# Allegro board SG2042_EVB_V1_1.brd (continued)
## Routing (per net, layer and track width the routed paths; a pad name or vN(x,y) marks a point on that pad's centre or on a via; arc(x,y) is an arc through that point) (continued)
  ART03 w0.102: v1(294.26,204.47) 294.69,204.9 299.42,204.9 J2007.20
UART3_RTS: length 1.7
  TOP w0.102: U14.7 284.22,203.93 R236.1
UART3_RTS_H: length 9.1
  TOP w0.102: R2224.2 294.26,203.61 298.04,199.82 299.42,199.82 J2007.22
UART3_RX: length 1.8
  TOP w0.102: U14.8 284.43,203.28 R238.1
UART3_RX_H: length 10.1
  TOP w0.102: v1(295.12,201.88) 294.26,202.74 R2225.2
  ART10 w0.102: v1(295.12,201.88) 295.12,203.45 296.57,204.9 299.42,204.9 J2007.18
UART3_TX: length 1.9
  TOP w0.102: R240.1 284.64,202.63 U14.9
UART3_TX_H: length 11
  TOP w0.102: R2226.2 v1(294.26,201.88)
  ART10 w0.102: J2007.16 299.42,207.44 297.89,207.44 294.26,203.81 v1(294.26,201.88)
USB_OUT_3V31: length 6.4
  TOP w0.254: R262.1 v1(279.1,233.22) ; U15.6 v1(282.82,235.03)
  BOTTOM w0.254: v1(282.82,235.03) 282.82,234.43 C588.1 C589.1 280.29,234.42 v1(279.1,233.22)
USB_OUT_3V32: length 6.4
  TOP w0.254: R1141.1 v1(268,233.22) ; U805.6 v1(271.72,235.03)
  BOTTOM w0.254: v1(271.72,235.03) 271.72,234.43 C1668.1 C1669.1 269.19,234.42 v1(268,233.22)
USB_OUT_3V33: length 6.4
  TOP w0.254: R2065.1 v1(256.9,233.22) ; U2002.6 v1(260.62,235.03)
  BOTTOM w0.254: v1(256.9,233.22) 258.09,234.42 C3167.1 C3166.1 260.62,234.43 v1(260.62,235.03)
VEMMC: length 12.4
  TOP w0.203: U2.E6 U2.F5 v1(215.03,204.54) ; U2.K9 U2.J10 v1(211.53,207.04)
  BOTTOM w0.254: v1(215.03,204.54) 214.9,204.67 C541.2 213.31,204.57 212.34,204.57 210.21,206.71 C543.2 C542.2 211.1,207.48 v1(211.53,207.04)
  BOTTOM w0.381: FB1.2 C543.2
VMON_N: length 107.6
  TOP w0.102: U1.A30 139.23,133.89 139.23,142.17 143.51,146.45 143.51,158.82 144.55,159.86 159.41,159.86 164.16,164.61 164.16,169.41 168.9,174.15 181.14,174.15 194.88,187.89 194.88,191.81 201.17,198.09 201.98,198.09 T3.1
VMON_P: length 109.1
  TOP w0.102: U1.B30 138.97,133.15 138.97,142.27 143.26,146.56 143.26,158.93 144.39,160.06 159.33,160.06 163.96,164.69 163.96,169.5 168.81,174.35 181.05,174.35 194.68,187.97 194.68,191.89 201.08,198.3 201.98,198.3 T2.1
VQPS18: length 2.2
  BOTTOM w0.102: U51.5 138.1,49.69 138.1,50.01 138,50.11 138,50.85 138.1,50.95 R256.2
  vias: v1(138.47,93.65) v1(138.79,51.94) v1(139.7,51.94) v1(139.7,51.03)
VQPS18_H: length 2.9
  BOTTOM w0.102: U51.4 137.7,49.69 137.7,50 137.79,50.09 137.79,50.85 137.69,50.95 R256.1
  BOTTOM w0.254: 135.78,50.83 U13.A1 136.13,50.49
VRHOT_DDR: length 3.2
  TOP w0.102: TP15.1 232.05,203.07 230.56,204.57 U53.18
VRHOT_VDDC: length 1.8
  TOP w0.102: U37.18 53.34,198.45 TP5.1
XTAL_32K: length 22.6
  TOP w0.102: U1.A31 140.39,133.73 140.39,140.85 149.78,150.24 R471.2
N268855: length 2
  TOP w0.102: R2.1 209.76,85.32 J1.238
N268909: length 6.1
  TOP w0.102: J1.140 208.25,46.22 209.28,47.26 211.37,47.26 R3.1
N268955: length 8.2
  TOP w0.102: R4.1 211.1,48.39 210.53,48.96 209.28,48.96 208.43,48.11 207.41,48.11 206.56,47.26 204.55,47.26 J1.139
N16776345: length 0.6
  BOTTOM w0.508: R372.1 v1(179.43,193.32)
N16776453: length 0.6
  BOTTOM w0.508: R369.1 v1(169.37,193.32)
N16776549: length 0.6
  BOTTOM w0.508: R370.1 v1(159.31,193.32)
N16776613: length 5.7
  TOP w0.203: U37.46 61.9,199.65 62.23,199.97 62.23,201.32 63.02,202.11 C1254.1 R371.1 64.9,202.11
N16776843: length 3.3
  TOP w0.254: U34.3 174.55,199.19 C1263.1 v1(173.74,199.39)
  BOTTOM w0.254: R365.2 173.99,200.2 173.74,199.95 v1(173.74,199.39)
N16776931: length 3.3
  TOP w0.254: v1(163.68,199.39) C1269.1 164.49,199.19 U35.3
  BOTTOM w0.254: R368.2 163.93,200.2 163.68,199.95 v1(163.68,199.39)
N16777019: length 3.3
  TOP w0.254: v1(153.62,199.39) C1275.1 154.43,199.19 U36.3
  BOTTOM w0.254: v1(153.62,199.39) 153.62,199.95 153.87,200.2 R366.2
N16777051: length 4.5
  TOP w0.203: 64.9,200.41 R2448.1 63.02,200.41 62.59,199.97 62.59,199.77 62.06,199.25 U37.45
N16777342: length 1.2
  BOTTOM w0.508: R369.2 C1280.1
N16777444: length 1.2
  BOTTOM w0.508: R370.2 C1285.1
N16777579: length 1.2
  BOTTOM w0.508: R372.2 C1286.1
N16777827: length 99
  TOP w0.102: v1(54.36,193.12) C1282.1 54.56,193.93 54.56,194.11 54.66,194.21 54.66,194.47 54.88,194.69 55.73,194.69 55.84,194.8 U37.25
  ART10 w0.102: v1(134.06,161.72) 134.9,161.72 135,161.82 135,162.18 134.85,162.33 107.97,162.33 84.73,185.57 61.36,185.57 54.66,192.27 54.66,192.81 v1(54.36,193.12)
  BOTTOM w0.102: R469.1 v1(134.06,161.72)
N16777829: length 99.1
  TOP w0.102: v1(55.17,193.12) C1282.2 54.97,193.93 54.97,194.11 54.86,194.21 54.86,194.39 54.97,194.49 55.85,194.49 56.24,194.87 U37.26
  ART10 w0.102: v1(136.14,161.72) 135.31,161.72 135.2,161.82 135.2,162.26 134.93,162.53 108.05,162.53 84.81,185.78 61.44,185.78 54.86,192.35 54.86,192.81 v1(55.17,193.12)
  BOTTOM w0.102: R379.1 v1(136.14,161.72)
N16777929: length 1.5
  TOP w0.203: U34.33 178.88,201.94 C1283.1
N16777935: length 1.5
  TOP w0.203: U35.33 168.82,201.94 C1287.1
N16777939: length 1.5
  TOP w0.203: C1284.2 158.76,201.94 U36.33
N16777961: length 1.8
  TOP w0.203: v1(177.88,201.67) 177.98,201.57 U34.35
  BOTTOM w0.254: R377.2 177.88,200.99 v1(177.88,201.67)
N16777979: length 1.8
  TOP w0.203: U35.35 167.92,201.57 v1(167.82,201.67)
  BOTTOM w0.254: R378.2 167.82,200.99 v1(167.82,201.67)
N16777997: length 1.8
  TOP w0.203: v1(157.76,201.67) 157.86,201.57 U36.35
  BOTTOM w0.254: v1(157.76,201.67) 157.76,200.99 R381.2
N16778101: length 0.9
  TOP w0.203: C1283.2 R2456.2
N16778111: length 0.9
  TOP w0.203: C1287.2 R2457.2
N16778145: length 3.2
  TOP w0.254: U34.1 175.71,200.39 175.01,201.09 C1289.1 v1(173.74,201.09)
  BOTTOM w0.254: C1289.1 v1(173.74,201.09)
N16778156: length 3.2
  TOP w0.254: U35.1 165.65,200.39 164.95,201.09 C1291.1 v1(163.68,201.09)
  BOTTOM w0.254: C1291.1 v1(163.68,201.09)
N16778167: length 3.2
  TOP w0.254: U36.1 155.59,200.39 154.89,201.09 C1293.1 v1(153.62,201.09)
  BOTTOM w0.254: C1293.1 v1(153.62,201.09)
N16778214: length 2.3
  TOP w0.203: U34.39 176.18,201.36 176.05,201.5 C1290.1 R385.2
N16778223: length 2.3
  TOP w0.203: U35.39 166.12,201.36 165.99,201.5 C1292.1 R386.2
N16778232: length 2.3
  TOP w0.203: R387.2 C1294.1 155.93,201.5 156.06,201.36 U36.39
N16778267: length 1.4
  TOP w0.203: R388.1 177.08,202.01 U34.37
N16778271: length 1.4
  TOP w0.203: R389.1 167.02,202.01 U35.37
N16778275: length 1.4
  TOP w0.203: U36.37 156.96,202.01 R390.1
N16779392: length 4.2
  TOP w0.102: 64.9,197.82 R393.1 C1309.1 62.51,197.82 61.87,198.45 U37.43
N16779575: length 4
  TOP w0.102: U37.44 62.24,198.85 62.38,198.7 C1446.1 R482.1 64.9,198.7
N16779882: length 0.6
  BOTTOM w0.508: R398.1 v1(149.25,193.32)
N16779930: length 0.6
  BOTTOM w0.508: R400.1 v1(139.19,193.32)
N16779978: length 0.6
  BOTTOM w0.508: R402.1 v1(129.13,193.32)
N16780125: length 3.3
  TOP w0.254: v1(143.56,199.39) C1311.1 144.38,199.19 U39.3
  BOTTOM w0.254: v1(143.56,199.39) 143.56,199.95 143.81,200.2 R397.2
N16780169: length 3.3
  TOP w0.254: U40.3 134.32,199.19 C1325.1 v1(133.5,199.39)
  BOTTOM w0.254: v1(133.5,199.39) 133.5,199.95 133.76,200.2 R399.2
N16780213: length 3.3
  TOP w0.254: v1(123.44,199.39) C1328.1 124.26,199.19 U38.3
  BOTTOM w0.254: R401.2 123.7,200.2 123.44,199.95 v1(123.44,199.39)
N16780259: length 1.2
  BOTTOM w0.508: R398.2 C1334.1
N16780361: length 1.2
  BOTTOM w0.508: R400.2 C1337.1
N16780463: length 1.2
  BOTTOM w0.508: R402.2 C1338.1
N16780805: length 1.5
  TOP w0.203: U39.33 148.71,201.94 C1339.1
N16780809: length 1.5
  TOP w0.203: U40.33 138.65,201.94 C1340.1
N16780813: length 1.5
  TOP w0.203: U38.33 128.59,201.94 C1341.1
N16780817: length 1.8
  TOP w0.203: U39.35 147.81,201.57 v1(147.7,201.67)
  BOTTOM w0.254: R403.2 147.7,200.99 v1(147.7,201.67)
N16780835: length 1.8
  TOP w0.203: v1(137.65,201.67) 137.75,201.57 U40.35
  BOTTOM w0.254: R404.2 137.65,200.99 v1(137.65,201.67)
N16780853: length 1.8
  TOP w0.203: U38.35 127.69,201.57 v1(127.59,201.67)
  BOTTOM w0.254: R405.2 127.59,200.99 v1(127.59,201.67)
N16780921: length 0.9
  TOP w0.203: C1339.2 R2458.2
N16780931: length 0.9
  TOP w0.203: C1340.2 R2459.2
N16780941: length 0.9
  TOP w0.203: C1341.2 R2463.2
N16780946: length 3.2
  TOP w0.254: U39.1 145.53,200.39 144.83,201.09 C1342.1 v1(143.56,201.09)
  BOTTOM w0.254: C1342.1 v1(143.56,201.09)
N16780957: length 3.2
  TOP w0.254: U40.1 135.47,200.39 134.77,201.09 C1344.1 v1(133.5,201.09)
  BOTTOM w0.254: C1344.1 v1(133.5,201.09)
N16780968: length 3.2
  TOP w0.254: v1(123.44,201.09) C1346.1 124.71,201.09 125.41,200.39 U38.1
  BOTTOM w0.254: C1346.1 v1(123.44,201.09)
N16781003: length 2.3
  TOP w0.203: R409.2 C1343.1 145.87,201.5 146.01,201.36 U39.39
N16781012: length 2.3
  TOP w0.203: U40.39 135.95,201.36 135.81,201.5 C1345.1 R410.2
N16781021: length 2.3
  TOP w0.203: R411.2 C1347.1 125.76,201.5 125.89,201.36 U38.39
N16781027: length 1.4
  TOP w0.203: R412.1 146.91,202.01 U39.37
N16781031: length 1.4
  TOP w0.203: R413.1 136.85,202.01 U40.37
N16781035: length 1.4
  TOP w0.203: U38.37 126.79,202.01 R414.1
N16782716: length 0.6
  BOTTOM w0.508: R419.1 v1(98.96,193.32)
N16782764: length 0.7
  BOTTOM w0.508: v1(124.41,22.63) 124.26,22.78 R417.1
N16782812: length 0.6
  BOTTOM w0.508: R423.1 v1(119.08,193.32)
N16782860: length 0.6
  BOTTOM w0.508: R421.1 v1(109.02,193.32)
N16783003: length 3.3
  TOP w0.254: v1(93.27,199.39) C1390.1 94.08,199.19 U44.3
  BOTTOM w0.254: R415.2 93.52,200.2 93.27,199.95 v1(93.27,199.39)
N16783047: length 3.3
  TOP w0.254: U43.3 129.28,17.35 129.49,17.14 v1(130.1,17.14)
  BOTTOM w0.254: v1(130.1,17.14) 130.1,16.59 129.84,16.33 R420.2
N16783091: length 3.3
  TOP w0.254: v1(113.39,199.39) C1386.1 114.2,199.19 U42.3
  BOTTOM w0.254: R422.2 113.64,200.2 113.39,199.95 v1(113.39,199.39)
N16783135: length 3.3
  TOP w0.254: U41.3 104.14,199.19 C1371.1 v1(103.33,199.39)
  BOTTOM w0.254: v1(103.33,199.39) 103.33,199.95 103.58,200.2 R418.2
N16783181: length 1.2
  BOTTOM w0.508: R419.2 C1402.1
N16783283: length 1.2
  BOTTOM w0.508: R417.2 C1403.1
N16783385: length 1.2
  BOTTOM w0.508: R423.2 C1400.1
N16783487: length 1.2
  BOTTOM w0.508: R421.2 C1401.1
N16783901: length 1.5
  TOP w0.203: U44.33 98.41,201.94 C1406.1
N16783905: length 1.5
  TOP w0.203: U43.33 124.95,14.59 C1407.1
N16783909: length 1.5
  TOP w0.203: U42.33 118.53,201.94 C1404.1
N16783913: length 1.5
  TOP w0.203: C1405.1 108.47,201.94 U41.33
N16783917: length 1.8
  TOP w0.203: v1(97.41,201.67) 97.51,201.57 U44.35
  BOTTOM w0.254: R426.2 97.41,200.99 v1(97.41,201.67)
N16783935: length 1.8
  TOP w0.203: v1(125.96,14.86) 125.85,14.96 U43.35
  BOTTOM w0.254: 126.11,15.7 125.96,15.54 v1(125.96,14.86)
N16783953: length 1.8
  TOP w0.203: v1(117.53,201.67) 117.63,201.57 U42.35
  BOTTOM w0.254: R424.2 117.53,200.99 v1(117.53,201.67)
N16783971: length 1.8
  TOP w0.203: v1(107.47,201.67) 107.57,201.57 U41.35
  BOTTOM w0.254: v1(107.47,201.67) 107.47,200.99 R425.2
N16784053: length 0.9
  TOP w0.203: C1406.2 R2464.2
N16784063: length 0.9
  TOP w0.203: C1407.2 R2465.2
N16784073: length 0.9
  TOP w0.203: C1404.2 R2461.2
N16784083: length 0.9
  TOP w0.203: C1405.2 R2462.2
N16784088: length 3.2
  TOP w0.254: v1(93.27,201.09) C1412.1 94.54,201.09 95.24,200.39 U44.1
  BOTTOM w0.254: C1412.1 v1(93.27,201.09)
N16784099: length 3.2
  TOP w0.254: U43.1 128.13,16.14 128.83,15.44 C1414.1 v1(130.1,15.44)
  BOTTOM w0.254: C1414.1 v1(130.1,15.44)
N16784110: length 3.2
  TOP w0.254: U42.1 115.36,200.39 114.66,201.09 C1408.1 v1(113.39,201.09)
  BOTTOM w0.254: C1408.1 v1(113.39,201.09)
N16784121: length 3.2
  TOP w0.254: U41.1 105.3,200.39 104.6,201.09 C1410.1 v1(103.33,201.09)
  BOTTOM w0.254: C1410.1 v1(103.33,201.09)
N16784164: length 2.3
  TOP w0.203: R432.2 C1413.1 95.58,201.5 95.71,201.36 U44.39
N16784173: length 2.3
  TOP w0.203: R433.2 C1415.1 127.79,15.04 127.65,15.17 U43.39
N16784182: length 2.3
  TOP w0.203: U42.39 115.83,201.36 115.7,201.5 C1409.1 R434.2
N16784191: length 2.3
  TOP w0.203: R435.2 C1411.1 105.64,201.5 105.77,201.36 U41.39
N16784197: length 1.4
  TOP w0.203: R438.1 96.61,202.01 U44.37
N16784201: length 1.4
  TOP w0.203: U43.37 126.75,14.52 R439.1
N16784205: length 1.4
  TOP w0.203: U42.37 116.73,202.01 R436.1
N16784209: length 1.4
  TOP w0.203: U41.37 106.67,202.01 R437.1
N16799311: length 1.4
  TOP w0.102: SW3.12 R109.1
N16799336: length 1.4
  TOP w0.102: SW2.12 R104.1
N16799358: length 1.4
  TOP w0.102: SW3.11 R106.1
N16799404: length 1.4
  TOP w0.102: SW2.11 R112.1
N16799429: length 1.4
  TOP w0.102: SW3.10 R110.1
N16799476: length 1.4
  TOP w0.102: SW2.10 R108.1
N16799508: length 1.4
  TOP w0.102: SW3.9 R115.1
N16799557: length 1.4
  TOP w0.102: SW2.9 R111.1
N16799582: length 1.4
  TOP w0.102: SW3.8 R114.1
N16799631: length 1.4
  TOP w0.102: SW2.8 R113.1
N16799658: length 1.4
  TOP w0.102: SW3.7 R117.1
N16799673: length 1.4
  TOP w0.102: SW2.7 R116.1
N16800093: length 1.4
  TOP w0.102: SW4.12 R140.1
N16800114: length 1.4
  TOP w0.102: SW5.12 R143.1
N16800143: length 1.4
  TOP w0.102: SW4.11 R146.1
N16800164: length 1.4
  TOP w0.102: SW5.11 R147.1
N16800198: length 1.4
  TOP w0.102: SW4.10 R149.1
N16800219: length 1.4
  TOP w0.102: SW5.10 R150.1
N16800260: length 1.4
  TOP w0.102: SW4.9 R152.1
N16800281: length 1.4
  TOP w0.102: SW5.9 R153.1
N16800328: length 1.4
  TOP w0.102: SW4.8 R155.1
N16800349: length 1.4
  TOP w0.102: SW5.8 R156.1
N16800382: length 1.4
  TOP w0.102: SW4.7 R157.1
N16800393: length 1.4
  TOP w0.102: SW5.7 R158.1
N16800835: length 2.6
  TOP w0.102: X1.1 174.6,162.94 C577.1 R107.1
N16800988: length 1.5
  TOP w0.102: X1.3 179.01,165.31 R124.1
N16801147: length 2.6
  TOP w0.102: X2.1 121.33,152.27 C581.1 R139.1
N16801273: length 1.8
  TOP w0.102: R144.1 117.46,149.9 X2.3
N16801494: length 2.6
  TOP w0.102: X3.1 144.6,156.69 C585.1 R161.1
N16801627: length 1.8
  TOP w0.102: X3.3 146.97,152.82 146.43,152.27
N16804839: length 6.3
  TOP w0.102: R187.2 183.74,232.97 J11.1
N16807123: length 2.7
  TOP w0.203: D42.1 287.47,237.85 ; D42.1 287.15,237.48 ; D42.1 287.15,238.21
  TOP w0.381: 286.92,239.55 286.38,239.55 J22.1 286.23,238.84
N16807257: length 9.7
  TOP w0.114: v1(283.23,235.56) 283.4,235.39 283.4,234.9 283.32,234.82 U15.5 ; J22.2 285.58,238.84 285.43,238.68 285.43,238.04 D43.1 285.44,237.67 285.44,237.06 v1(285.62,236.88)
  BOTTOM w0.114: v1(283.23,235.56) 283.23,237.43 283.64,237.84 285.07,237.84 285.44,237.47 285.44,237.06 v1(285.62,236.88)
N16807264: length 2.3
  TOP w0.102: U15.9 279.92,232.62 R262.2 C605.1
N16807287: length 9.7
  TOP w0.114: U15.4 283.82,234.81 283.74,234.9 283.74,235.39 v1(283.91,235.56) ; J22.3 284.93,238.84 285.09,238.68 285.09,238.02 D44.1 285.1,237.67 285.1,237.06 v1(284.92,236.88)
  BOTTOM w0.114: v1(283.91,235.56) 283.85,235.56 283.57,235.85 283.57,236.12 arc(283.63,236.26) 283.77,236.32 284.01,236.32 arc(284.24,236.55) 284.01,236.78 283.8,236.78 arc(283.64,236.85) 283.57,237.01 283.57,237.29 283.78,237.5 284.93,237.5 285.1,237.33 285.1,237.06 v1(284.92,236.88)
N16807980: length 2.1
  TOP w0.254: 218.48,61.62 218.34,61.75 U49.19
  TOP w0.508: 218.48,61.62 218.93,61.62 219.53,61.02 C1429.1
N16807985: length 1.6
  TOP w0.305: U49.17 216.86,61.02
N16820738: length 2
  TOP w0.102: J2.238 202.36,85.32 R6.1
N16820747: length 17.3
  TOP w0.102: R7.1 210.6,50.28 209.49,50.28 208.64,49.43 207.57,49.43 206.72,48.58 205.69,48.58 204.84,47.73 202.88,47.73 202.03,46.88 200.09,46.88 199.24,46.03 196.75,46.03 J2.140
N16820756: length 18.8
  TOP w0.102: J2.139 197.24,47.07 197.9,46.41 199.04,46.41 199.89,47.26 201.85,47.26 202.7,48.11 204.63,48.11 205.48,48.96 206.56,48.96 207.41,49.81 208.43,49.81 209.28,50.66 211.14,50.66 R8.1
N16828823: length 8.1
  TOP w0.102: J3.238 69.31,85.32 68.46,86.17 67.41,86.17 66.56,85.32 R10.1
N16828836: length 3.4
  TOP w0.102: J3.140 64.41,46.22 R11.1
N16828849: length 1.8
  TOP w0.102: R12.1 64.39,47.07 J3.139
N16829656: length 6.4
  TOP w0.102: J11.11 194.41,230.73 R192.2 R195.2
N16832496: length 8.1
  TOP w0.102: R14.1 73.59,85.32 75.96,85.32 76.81,86.17 77.86,86.17 78.71,85.32 J4.238
N16832505: length 14.4
  TOP w0.102: R15.1 64.89,49.44 66.46,49.44 67.31,48.59 68.37,48.59 69.22,47.74 70.26,47.74 71.11,46.89 73.34,46.89 73.83,46.4 77.01,46.4 J4.140
N16832514: length 12.4
  TOP w0.102: J4.139 75.41,47.24 71.31,47.24 70.46,48.1 69.4,48.1 68.55,48.95 67.51,48.95 66.66,49.8 64.38,49.8 R16.1
N16833185: length 6.3
  TOP w0.102: R105.2 221.79,232.97 J10.1
N16833257: length 6.4
  TOP w0.102: J10.11 232.46,230.73 R118.2 R138.2
N16835131: length 6.3
  TOP w0.102: J12.1 145.67,232.97 R235.2
N16835205: length 6.4
  TOP w0.102: R251.2 R245.2 156.34,230.73 156.34,235
N16839997: length 1.6
  TOP w0.102: U48.6 226.61,107.25 226.75,107.39 R452.1
N16841761: length 4.2
  TOP w0.254: U49.6 219.3,64.73 219.56,64.98 219.56,65.51 219.86,65.81 R461.2 R462.1 221.26,64.95 R460.1
N16841764: length 0.9
  TOP w0.254: R460.2 C1434.1
N16842324: length 3
  TOP w0.254: R466.2 221.21,63.2 220.75,62.74 219.91,62.74 219.42,63.23 U49.3
N16843634: length 2.8
  TOP w0.254: R464.2 219.77,62.33 219.38,62.73 U49.2
N16844656: length 2.1
  TOP w0.254: R459.2 C3148.1 216.19,61.75 U49.16
N16848150: length 4.5
  TOP w0.254: R445.2 R449.1 C1421.2 219.74,110.08 220.85,111.2 U47.1
N16851719: length 1.8
  TOP w0.254: U47.6 223.53,115.45 C1420.1
N16851931: length 1.7
  TOP w0.102: R443.2 222.03,115.68 U47.9
N16854767: length 1
  TOP w0.102: R467.1 220.92,47.03 U50.6
N16879443: length 99.9
  TOP w0.102: U1.D30 v1(138.97,131.15) ; R36.2 v1(197.28,199.57)
  ART10 w0.102: v1(138.97,131.15) 138.97,131.4 138.59,131.79 138.59,138.73 164.63,164.77 174.38,164.77 195.25,185.64 195.25,196.39 197.28,198.42 v1(197.28,199.57)
N16879465: length 3.1
  TOP w0.089: U2.C2 216.28,203.79 216.79,203.79
  TOP w0.102: v1(217.42,203.76) 217.39,203.79 216.79,203.79
  BOTTOM w0.102: C525.2 C526.1 v1(217.42,203.76)
N16880032: length 3.4
  TOP w0.102: R46.1 49.52,226.47 D1.1 48.47,228.23 J8.5
N16880080: length 2.9
  TOP w0.102: J8.3 46.3,229.25 D7.1 46.3,226.35 R47.1
N16880122: length 3
  TOP w0.102: J8.7 50.64,229.25 D2.1 50.64,226.35 R49.1
N16880147: length 2.9
  TOP w0.102: J8.8 51.76,229.26 D3.1 51.76,226.35 R50.1
N16880195: length 2.9
  TOP w0.102: R51.1 45.18,226.35 D4.1 45.18,229.26 J8.2
N16880209: length 2.9
  TOP w0.102: R53.1 44.06,226.35 D5.1 44.06,229.27 J8.1
N16880231: length 2.9
  TOP w0.102: R54.1 52.88,226.35 D6.1 52.88,229.27 J8.9
N16880255: length 2.1
  TOP w0.102: U5.B2 45.82,221.03 R55.2 R52.2
N16956946: length 1.8
  BOTTOM w0.102: U13.B2 135.28,49.08 R258.2 R257.2
N16965254: length 141.2
  TOP w0.102: U1.E18 v1(126.97,130.15) ; R137.2 v1(10.08,171.86)
  BOTTOM w0.102: v1(10.08,171.86) 19.28,171.86 20.9,173.48 53.76,173.48 54.24,173 89.68,173 127.35,135.32 127.35,130.53 v1(126.97,130.15)
N16965255: length 151.5
  TOP w0.102: U1.F18 v1(126.97,129.15) ; R132.2 v1(10.69,180.9)
  ART10 w0.102: v1(9.32,172.62) 9.32,179.53 v1(10.69,180.9)
  BOTTOM w0.102: v1(9.32,172.62) 9.7,172.24 19.37,172.24 20.82,173.69 53.84,173.69 54.33,173.2 89.76,173.2 127.56,135.41 127.56,129.73 v1(126.97,129.15)
N16965256: length 158.4
  TOP w0.102: R134.2 v1(10.69,175.82) ; U1.J22 v1(130.97,126.15)
  ART03 w0.102: v1(58.55,182.7) 57.76,181.91 44.12,181.91 43.56,181.36 12.4,181.36 10.69,179.65 v1(10.69,175.82)
  ART10 w0.102: v1(58.55,182.7) 58.55,182.42 60.83,180.14 79.73,180.14 107.34,152.53 117.5,152.53 131.59,138.44 131.59,126.77 v1(130.97,126.15)
N16965257: length 144.4
  TOP w0.102: U1.D17 v1(125.97,131.15) ; R135.2 v1(10.08,177.75)
  ART10 w0.102: v1(10.08,170.99) 9.7,171.37 9.7,177.37 v1(10.08,177.75)
  BOTTOM w0.102: v1(125.97,131.15) 125.8,131.32 125.8,135.73 89.34,172.19 21.16,172.19 19.96,170.99 v1(10.08,170.99)
N16965338: length 221.9
  TOP w0.102: U1.J35 v1(144.97,126.15) ; 283.08,223.16 v1(282.47,223.16)
  ART03 w0.102: v1(221.89,226.21) 222.28,225.83 279.81,225.83 v1(282.47,223.16)
  ART10 w0.102: v1(223.34,176.56) 223.34,188.98 224.59,190.22 224.59,195.96 223.93,196.62 223.93,200.13 221.89,202.16 v1(221.89,226.21)
  BOTTOM w0.102: v1(144.97,126.15) 144.59,126.53 144.59,137.29 172.35,165.05 173.93,165.05 186.75,177.88 217.47,177.88 218.58,176.76 223.14,176.76 v1(223.34,176.56)
N16965348: length 211.8
  TOP w0.102: 283.08,222.3 v1(282.47,222.3) ; U1.G38 v1(147.97,128.15)
  ART03 w0.102: v1(208.23,226.21) 210.34,226.21 210.92,225.63 279.15,225.63 v1(282.47,222.3)
  ART10 w0.102: v1(147.97,128.15) 148.35,128.53 148.35,132.72 147.39,133.69 147.39,140.12 165.02,157.76 175.77,157.76 196.19,178.18 202.1,178.18 209.17,185.25 209.17,200.52 207.98,201.72 207.98,211.66 208.23,211.91 v1(208.23,226.21)
N16965358: length 210.5
  TOP w0.089: 147.81,133.91 147.87,133.85 147.87,133.04 U1.B38
  TOP w0.102: v1(208.43,185.22) 208.43,184.3 202.67,178.54 192.72,178.54 183.25,169.07 171,169.07 169.27,167.33 169.27,162.51 147.81,141.05 147.81,133.91 ; 283.08,221.44 v1(282.47,221.44)
  ART03 w0.102: v1(282.47,221.44) 278.49,225.43 210.84,225.43 210.25,226.01 209.37,226.01 209.19,225.83 208,225.83 v1(207.62,226.21)
  ART10 w0.102: v1(207.62,226.21) 208.03,225.81 208.03,212 207.77,211.74 207.77,201.63 208.97,200.44 208.97,185.75 v1(208.43,185.22)
N16965360: length 208.6
  TOP w0.102: 283.08,220.57 v1(282.47,220.57) ; v1(210.29,185.22) 210.67,184.84 210.67,183.92 210.29,183.53 210.29,183.51 204.7,177.93 192.98,177.93 183.51,168.46 171.26,168.46 169.88,167.08 169.88,162.25 148.47,140.85 U1.A39
  ART03 w0.102: v1(282.47,220.57) 277.83,225.22 210.34,225.22 v1(209.93,225.63)
  ART10 w0.102: v1(210.29,185.22) 209.58,185.93 209.58,200.69 208.38,201.89 208.38,211.49 208.64,211.75 208.64,224.33 v1(209.93,225.63)
N16965694: length 211.2
  TOP w0.102: v1(204.09,183.44) 204.09,182.87 201.59,180.37 191.96,180.37 182.5,170.9 170.24,170.9 167.44,168.09 167.44,163.27 144.97,140.8 144.97,133.15 U1.B36 ; 283.08,219.71 v1(282.47,219.71)
  ART03 w0.102: v1(282.47,219.71) 277.16,225.02 209.73,225.02 209.12,225.63 207.42,225.63 v1(206.83,225.04)
  ART10 w0.102: v1(204.09,183.44) 204.09,184.8 207.42,188.13 207.42,196.76 206.48,197.7 206.48,200.23 206.48,211.31 207.42,212.25 207.42,223.9 206.83,224.49 v1(206.83,225.04)
N16965704: length 212.1
  TOP w0.089: 146.81,133.91 146.87,133.85 146.87,131.04 U1.D37
  TOP w0.102: 283.08,218.85 v1(282.47,218.85) ; v1(207.77,187.12) 207.77,185.11 202.01,179.35 192.39,179.35 182.92,169.88 170.67,169.88 168.45,167.67 168.45,162.84 146.81,141.2 146.81,133.91
  ART03 w0.102: v1(282.47,218.85) 276.5,224.82 209.64,224.82 209.03,225.43 207.82,225.43 v1(207.44,225.04)
  ART10 w0.102: v1(207.77,187.12) 207.82,187.17 207.82,196.93 206.88,197.86 206.88,211.14 207.82,212.08 207.82,224.66 v1(207.44,225.04)
N16965714: length 210.6
  TOP w0.102: U1.F39 v1(148.97,129.15) ; 283.08,217.98 v1(282.47,217.98)
  ART03 w0.102: v1(282.47,217.98) 275.84,224.61 209.04,224.61 v1(208.61,225.04)
  ART10 w0.102: v1(208.61,225.04) 208.43,224.87 208.43,211.83 208.18,211.58 208.18,201.8 209.37,200.61 209.37,185.16 202.19,177.98 196.27,177.98 175.85,157.56 165.11,157.56 147.59,140.04 147.59,133.77 148.59,132.77 148.59,129.53 v1(148.97,129.15)
N16965716: length 211
  TOP w0.089: 145.81,133.91 145.87,133.85 145.87,132.25 U1.C37
  TOP w0.102: 283.08,217.12 v1(282.47,217.12) ; 145.81,133.91 145.81,141.06 167.84,163.1 167.84,167.92 170.41,170.49 182.66,170.49 192.13,179.96 201.76,179.96 205.87,184.07 v1(205.87,185.22)
  ART03 w0.102: v1(207.44,224.43) 207.47,224.41 275.18,224.41 v1(282.47,217.12)
  ART10 w0.102: v1(205.87,185.22) 205.87,186.29 207.62,188.05 207.62,196.84 206.68,197.78 206.68,200.31 206.68,211.23 207.62,212.17 207.62,224.26 v1(207.44,224.43)
N16965774: length 186.2
  TOP w0.089: 146.14,133.91 146.08,133.85 146.08,133.04 U1.B37
  TOP w0.102: v1(206.5,185.85) 206.5,184.42 201.84,179.76 192.22,179.76 182.75,170.29 170.5,170.29 168.05,167.84 168.05,163.01 146.14,141.11 146.14,133.91 ; 283.08,207.92 v1(282.47,207.92)
  ART03 w0.102: v1(282.47,207.92) 242.61,207.92 234.72,200.03 v1(207.26,200.03)
  ART10 w0.102: v1(207.26,200.03) 207.65,199.64 207.65,197.89 208.36,197.18 208.36,186.86 207.35,185.85 v1(206.5,185.85)
N16965784: length 193.6
  TOP w0.102: 283.08,207.06 v1(282.47,207.06) ; U1.J33 v1(142.97,126.15)
  ART03 w0.102: v1(282.47,207.06) 281.81,207.72 242.7,207.72 234.42,199.44 222.38,199.44 v1(222.2,199.62)
  ART10 w0.102: v1(222.2,199.62) 221.74,199.16 v1(221.74,179.65)
  BOTTOM w0.102: v1(142.97,126.15) 143.35,126.53 143.35,138.45 171.66,166.75 174.48,166.75 186.42,178.69 218.08,178.69 219.22,179.83 221.56,179.83 v1(221.74,179.65)
N16965794: length 194.1
  TOP w0.102: U1.H34 v1(143.97,127.15) ; 283.08,206.2 v1(282.47,206.2)
  ART03 w0.102: v1(282.47,206.2) 281.15,207.52 242.78,207.52 234.5,199.24 221.97,199.24 v1(221.59,199.62)
  ART10 w0.102: v1(221.74,179.04) 221.34,179.45 221.34,199.36 v1(221.59,199.62)
  BOTTOM w0.102: v1(221.74,179.04) 221.16,179.63 219.3,179.63 218.16,178.49 186.5,178.49 174.56,166.55 171.74,166.55 143.59,138.4 143.59,127.53 v1(143.97,127.15)
N16965796: length 185.1
  TOP w0.102: 283.08,205.33 v1(282.47,205.33) ; U1.A37 146.47,141.15 168.25,162.93 168.25,167.75 170.58,170.08 182.83,170.08 192.3,179.55 201.92,179.55 207.14,184.76 v1(207.14,186.49)
  ART03 w0.102: v1(207.26,199.42) 209.75,199.42 210.13,199.03 234.59,199.03 242.87,207.31 280.49,207.31 v1(282.47,205.33)
  ART10 w0.102: v1(207.26,199.42) 207.26,197.98 208.15,197.1 208.15,186.94 207.7,186.49 v1(207.14,186.49)
